# Altium PCB RUMBA_plus.PcbDoc (part 2 of 3)
Units mil, origin at the board's own origin, x right, y up, seen from the top; angles counter-clockwise.
Board outline 5314.96 x 2952.76 mil, 2 copper layers (Top Layer, Bottom Layer), stack 62.249 mil thick; 205 components, 188 nets, 892 pads, 249 vias.
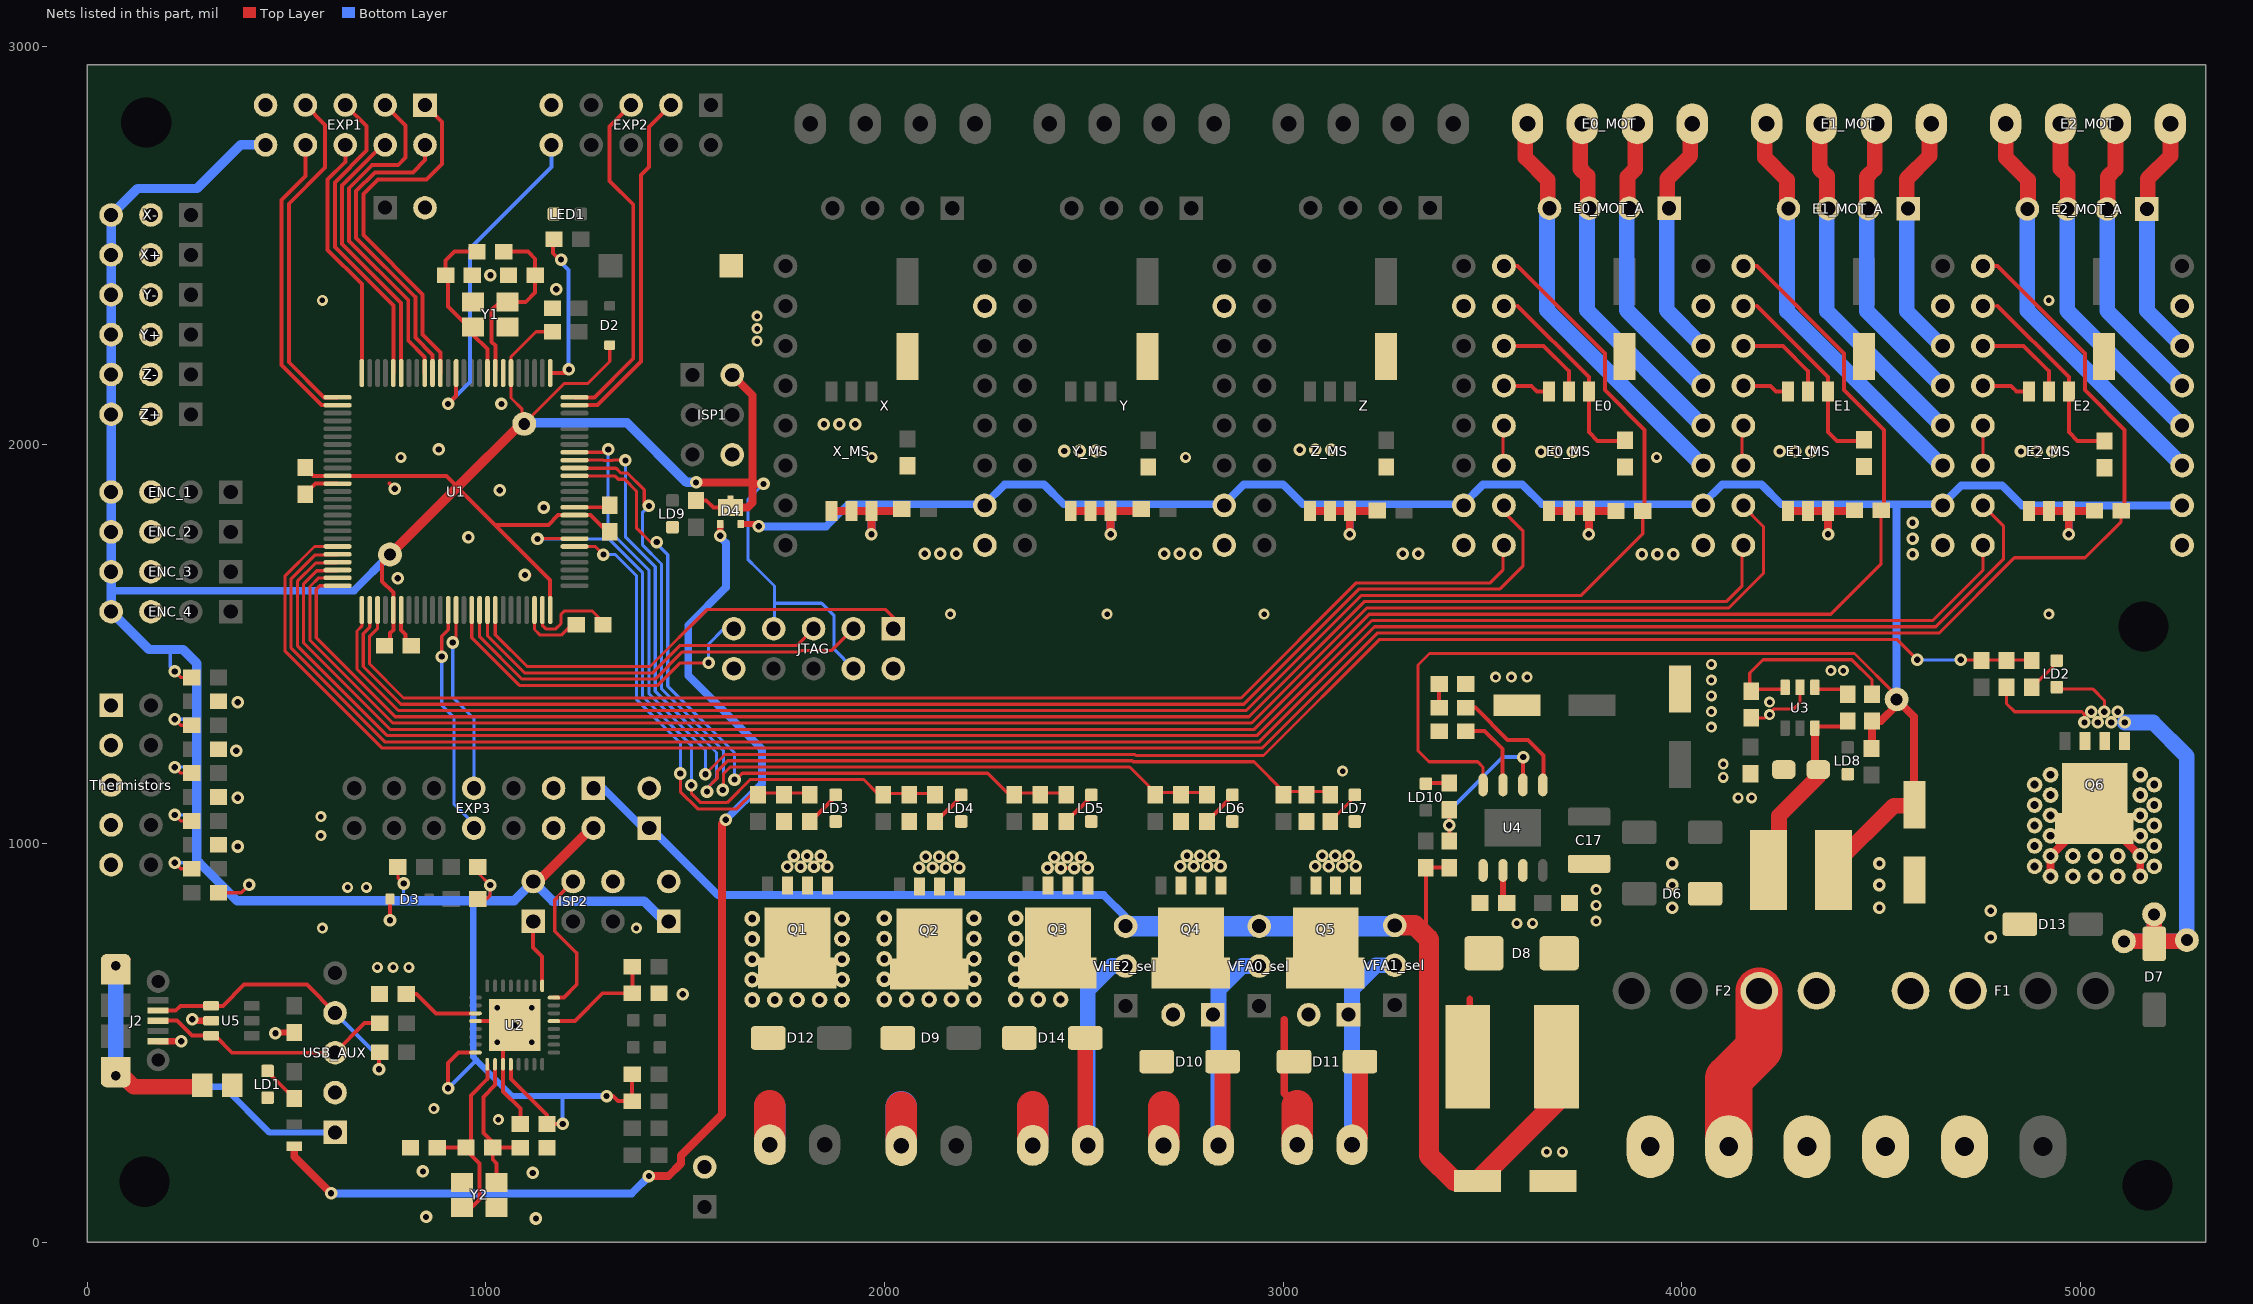
[diagram p2: the nets of this part, all layers, seen from the top]

## Via types
v1: diameter 31.5, hole 15.75, Top Layer to Bottom Layer, tented both sides, 190 vias
v2: diameter 27.56, hole 13.78, Top Layer to Bottom Layer, tented both sides, 54 vias
v3: diameter 27.56, hole 13.78, Top Layer to Bottom Layer, 5 vias

## Nets (pads, with @x,y where several pads share a name; then routed paths per layer and width w, separated by ;. In a path a pad name is that pad's centre, name@x,y a point inside that pad or via, vN(x,y) a via of type N, cw(c..) or ccw(c..) an arc to the next point about the centre after c; other vN are vias at no path point)
5V_DCDC: C2.1 D4.2 E0.10 E0_MS.1 E0_MS.2 E0_MS.3 E1.10 E1_MS.1 E1_MS.2 E1_MS.3 E2.10 E2_MS.1 E2_MS.2 E2_MS.3 L3.2 pad.9 R5.2 R20.2 R21.1 R23.1 R25.1 R27.1 R29.1 R45.1 U4.8 X.10 X_MS.1 X_MS.2 X_MS.3 Y.10 Y_MS.1 Y_MS.2 Y_MS.3 Z.10 Z_MS.1 Z_MS.2 Z_MS.3 | length 8550.3
  Top Layer w7.87: v1(1685.04,1795.28) v1@1692.91,1803.15 ; Z_MS.1@3062.93,1836.69 Z_MS.1@3067.56,1836.69 ; U4.8@3501.77,1146.65 3501.77,1191.14 3488.19,1204.72 3366.14,1204.72 3338.58,1232.28 3338.58,1447.54 3367.42,1476.38 4433.49,1476.38 4539.3,1370.57 pad.9@4539.3,1361.3 ; E0_MS.1@3662.6,1834 E0_MS.1@3667.24,1834.02 ; E2_MS.1@4866.54,1834 E2_MS.1@4871.18,1834
  Top Layer w10: Z.10@3446.31,1847.88 Z.10@3453.38,1847.88
  Top Layer w15.75: D4.2@1639.76,1801.18 1679.13,1801.18 v1(1685.04,1795.28)
  Top Layer w19.68: X_MS.1@1867.56,1834.02 X_MS.2@1917.56,1834.02 X_MS.3@1967.56,1834.02 ; v1(1967.56,1775.59) X_MS.3@1967.56,1834.02 ; R21.1@2043.53,1838.88 2038.66,1834.02 X_MS.3@1967.56,1834.02 ; Y_MS.1@2467.56,1834.02 Y_MS.2@2517.56,1834.02 Y_MS.3@2567.56,1834.02 ; v1(2567.56,1775.59) Y_MS.3@2567.56,1834.02 ; R23.1@2638.66,1834.02 Y_MS.3@2567.56,1834.02 ; Z_MS.1@3067.56,1834.02 Z_MS.2@3117.56,1834.02 Z_MS.3@3167.56,1834.02 ; v1(3167.56,1775.59) Z_MS.3@3167.56,1834.02 ; R25.1@3238.66,1834.02 Z_MS.3@3167.56,1834.02 ; E0_MS.1@3667.24,1834.02 E0_MS.2@3717.24,1834.02 E0_MS.3@3767.24,1834.02 ; v1(3767.24,1775.59) E0_MS.3@3767.24,1834.02 ; R27.1@3838.35,1834.02 E0_MS.3@3767.24,1834.02 ; E1_MS.1@4267.24,1834.02 E1_MS.2@4317.24,1834.02 E1_MS.3@4367.24,1834.02 ; v1(4367.24,1775.59) E1_MS.3@4367.24,1834.02 ; R29.1@4438.35,1834.02 E1_MS.3@4367.24,1834.02 ; R20.2@4476.38,1238.19 4477.3,1239.11 R5.2@4477.3,1306.84 4499.75,1306.84 4539.3,1346.39 pad.9@4539.3,1361.3 4582.68,1317.92 C2.1@4582.68,1098.51 ; E2_MS.1@4871.18,1834 E2_MS.2@4921.18,1834 E2_MS.3@4971.18,1834 ; v1(4971.18,1775.57) E2_MS.3@4971.18,1834 ; R45.1@5042.28,1834 E2_MS.3@4971.18,1834
  Top Layer w39.37: L3.2@4386.78,949.3 4531.97,1094.49 4586.7,1094.49 C2.1@4584.3,1096.89 C2.1@4582.68,1098.51
  Bottom Layer w19.68: v1(1685.04,1795.28) 1732.25,1795.28 1732.29,1795.32 1854.37,1795.32 1909.63,1850.57 2251.94,1850.57 2301.66,1900.3 2400.3,1900.3 2450.03,1850.57 2851.94,1850.57 2901.66,1900.3 3000.3,1900.3 3050.03,1850.57 3451.94,1850.57 3501.66,1900.3 3600.3,1900.3 3650.03,1850.57 4051.94,1850.57 4101.66,1900.3 4200.3,1900.3 4250.03,1850.57 4544.3,1850.57 ; v1(1967.56,1775.59) 1967.56,1839.71 ; v1(2567.56,1775.59) 2567.56,1839.71 ; v1(3167.56,1775.59) 3167.56,1839.71 ; v1(3767.24,1775.59) 3767.24,1839.71 ; v1(4367.24,1775.59) 4367.24,1839.71 ; pad.9@4539.3,1361.3 4539.3,1845.57 4544.3,1850.57 ; E1.10@4651.61,1847.88 4701.33,1897.61 ; E1.10@4651.94,1850.57 4544.3,1850.57 ; 4705.27,1897.61 4803.91,1897.61 4853.63,1847.88 E2.10@5255.54,1847.88 ; v1(4971.18,1775.57) 4971.18,1839.69
+5V: 5V.1 C5.2 C6.2 C7.2 C13.2 D2.K D3.K D4.3 ENC_1.4 ENC_2.4 ENC_3.4 ENC_4.4 EXP1.10 EXP3.2 ISP1.2 ISP2.2 JTAG.4 JTAG.7 pad.2@1096.65,2052.3 pad.3 R2.2 R3.2 R11.2 R12.2 R15.1 R16.1 R40.1 R41.1 R42.1 R43.1 R54.1 R58.2 U1.10 U1.31 U1.61 U1.80 U1.100 U2.4 U2.32 X+.3 X-.3 Y+.3 Y-.3 Z+.3 Z-.3 | length 11179.5
  Top Layer w7.87: v1(220.04,951.3) 235.04,936.3 R54.1@262.85,936.3 ; v1(220.04,1071.3) 235.04,1056.3 R40.1@262.85,1056.3 ; v1(220.04,1191.3) 235.04,1176.3 R41.1@262.85,1176.3 ; v1(220.04,1311.3) 235.04,1296.3 R42.1@262.85,1296.3 ; v1(220.04,1431.3) 235.04,1416.3 R43.1@262.85,1416.3 R43.1@247.85,1431.3 ; R3.2@779.69,941.3 779.69,913.76 v1(794.16,899.29) ; v1@905.44,385.9 v1(905.51,385.97) ; R12.2@980.31,860.24 1001.28,860.24 1011.13,870.08 v1(1011.13,895.32) 980.61,925.84 R2.2@980.61,941.3 ; pad.2@1087.73,2052.3 1090.55,2055.12 1090.55,2090.15 1063.39,2117.31 U1.31@1063.39,2179.8 1063.39,2220.87 1125.99,2283.47 R11.2@1167.32,2283.47 ; pad.2@1096.65,2053.35 1196.85,2153.54 1255.91,2153.54 1311.02,2208.66 D2.K@1311.02,2250
  Top Layer w10: C5.2@547.24,1942.91 568.23,1921.93 U1.61@628.35,1921.93 901.57,1921.93 901.57,1921.26 929.13,1893.7 940.94,1881.89 1023.62,1799.21 ; C7.2@746.06,1496.06 759.84,1509.84 759.84,1527.56 768.11,1535.83 U1.80@768.11,1585.32 768.11,1629.53 740.16,1657.48 740.16,1704.72 pad.3@759.84,1724.41 ; v1(759.84,807.09) D3.K@759.84,860.24 ; v1@905.44,385.9 905.44,448.75 932.05,475.35 U2.32@974.33,475.35 ; U2.4@1062.91,445.83 1062.91,409.53 1153.78,318.66 C13.2@1153.78,296.3 v1(1192.91,296.3) ; U1.100@1161.81,1585.32 1161.81,1661.02 1023.62,1799.21 ; v1(1303.15,366.14) 1319.31,366.14 1332.27,353.18 R15.1@1367.46,353.18 R16.1@1367.46,420.9 ; C6.2@1311.02,1781.5 1305.12,1781.5 1263.11,1823.51 U1.10@1222.84,1823.51 1181.77,1823.51 1157.48,1799.21 1023.62,1799.21 ; R58.2@1527.56,1860.24 1553.15,1860.24 1570.87,1842.52 D4.3@1614.17,1842.52
  Top Layer w19.68: v1(1527.56,1905.51) 1665.35,1905.51 1669.29,1901.57 ; D4.3@1614.17,1842.52 1657.48,1842.52 1669.29,1854.33 1669.29,1901.57 ; ISP1.2@1618.53,2175.05 1669.29,2124.28 1669.29,1901.57 ; v1(1696.85,1901.57) 1669.29,1901.57
  Top Layer w23.62: pad.3@759.84,1724.41 929.13,1893.7 1087.73,2052.3 pad.2@1096.65,2052.3 ; ISP2.2@1119.15,904.3 1131.15,904.3 EXP3.2@1267.65,1040.8 ; 5V.1@1447.15,805.3 5V.1@1447.15,806.87
  Bottom Layer w7.87: 208.66,1486.3 208.66,1442.68 v1(220.04,1431.3) ; v1(220.04,951.3) 281.32,951.3 ; v1(220.04,1071.3) 275.59,1071.3 ; v1(220.04,1191.3) 275.59,1191.3 ; v1(220.04,1311.3) 275.59,1311.3 ; 794.16,856.31 v1(794.16,899.29) ; 1010.15,856.3 1011.13,857.28 v1(1011.13,895.32) ; v1(1696.85,1901.57) 1657.48,1862.2 1657.48,1712.6 1681.79,1688.29 1724.41,1645.67 1724.41,1602.3 ; JTAG.7@1742.3,1538.3 1724.41,1556.19 1724.41,1602.3 ; JTAG.4@1942.3,1438.3 JTAG.4@1922.3,1438.3 1874.02,1486.58 1874.02,1570.87 1842.58,1602.3 1724.41,1602.3
  Bottom Layer w10: v1(759.84,807.09) 759.84,856.3 ; v1(905.51,385.97) 906.41,385.97 976.76,456.31 ; v1(1192.91,296.3) 1192.91,366.14
  Bottom Layer w15.75: 968.5,856.3 968.5,464.57 976.76,456.31 1066.93,366.14 1192.91,366.14 v1(1303.15,366.14)
  Bottom Layer w19.68: 60.31,1633.86 669.29,1633.86 pad.3@759.84,1724.41
  Bottom Layer w23.62: EXP1.10@447.67,2752.13 385.13,2752.13 275.76,2642.76 126.76,2642.76 X-.3@60.3,2576.3 Y+.3@60.3,2276.3 Z+.3@60.3,2076.3 ENC_3.4@60.31,1681.3 60.31,1633.86 ENC_4.4@60.31,1581.3 155.31,1486.3 208.66,1486.3 240.55,1486.3 275.59,1451.26 275.59,1311.3 275.59,1191.3 275.59,1071.3 275.59,957.02 281.32,951.3 376.32,856.3 759.84,856.3 794.15,856.3 968.5,856.3 1010.15,856.3 1071.15,856.3 ISP2.2@1119.15,904.3 1168.36,855.09 1397.36,855.09 5V.1@1447.15,805.3 ; pad.2@1096.65,2052.3 1099.47,2055.11 1354.33,2055.11 1503.94,1905.51 v1(1527.56,1905.51)
+12V: 12V.1 C32.1 EXP3.1 L4.2 R56.1 R59.2 VFA0_sel.3 VFA1_sel.3 VHE2_sel.3 | length 3585.4
  Top Layer w10: 3358.27,766.72 R59.2@3358.27,938.98 R56.1@3399.61,938.98 ; R56.1@3399.61,938.98 3409.45,938.98 R56.1@3399.61,938.98
  Top Layer w51.18: VFA1_sel.3@3280.15,794.3 3330.69,794.3 3358.27,766.72 3366.14,758.85 3366.14,216.54 3429.13,153.54 C32.1@3488.19,153.54 3693.9,359.25 L4.2@3693.9,464.57
  Bottom Layer w19.68: EXP3.1@1270.15,1138.3 1294.77,1138.3 1411.42,1021.65 1431.1,1021.65 1582.68,870.08 2550.36,870.08 2605.15,815.28 VHE2_sel.3@2605.15,792.3
  Bottom Layer w51.18: VHE2_sel.3@2605.15,792.3 VFA0_sel.3@2940.15,792.3 VFA1_sel.3@3278.15,792.3
A9: EXP3.7 U1.88 | length 472.3
  Top Layer w7.87: v1(917.32,1503.94) 925.59,1512.21 U1.88@925.59,1585.32
  Bottom Layer w7.87: v1(917.32,1503.94) 917.32,1366.14 970.15,1313.31 EXP3.7@970.15,1138.3
A10: EXP3.8 U1.87 | length 587
  Top Layer w7.87: v1(889.76,1468.5) 889.76,1519.69 905.91,1535.83 U1.87@905.91,1585.32
  Bottom Layer w7.87: v1(889.76,1468.5) 889.76,1346.46 920.15,1316.07 920.15,1099.3 970.15,1049.3 EXP3.8@970.15,1038.3
AREF: C4.2 U1.98 | length 178
  Top Layer w7.87: U1.98@1124.41,1583.35 U1.98@1122.44,1585.32 1122.44,1536.39 1136.51,1522.32 1189.21,1522.32 C4.2@1227.19,1560.3
BEEPER: EXP1.1 U1.40 | length 922.9
  Top Layer w10: EXP1.1@847.67,2852.13 890.07,2809.72 890.07,2704.07 851.35,2665.35 729.71,2665.35 692.91,2628.55 692.91,2525.9 841.42,2377.4 841.42,2276.07 886.22,2231.26 U1.40@886.22,2179.8
BTN_EN1: EXP2.5 U1.25 | length 870
  Top Layer w10: U1.25@1222.84,2118.78 1272.32,2118.78 1370.08,2216.54 1370.08,2602.36 1311.02,2661.42 1311.02,2798.48 EXP2.5@1364.67,2852.13
BTN_EN2: EXP2.3 U1.24 | length 886.8
  Top Layer w10: U1.24@1222.84,2099.1 1280.2,2099.1 1389.76,2208.66 1389.76,2677.17 1409.45,2696.85 1409.45,2796.91 EXP2.3@1464.67,2852.13
BTN_ENC: EXP1.2 U1.41 | length 778.7
  Top Layer w10: EXP1.2@847.67,2752.13 847.67,2713.81 817.09,2683.23 722.31,2683.23 675.04,2635.96 675.04,2518.5 823.54,2370 823.54,2268.66 866.54,2225.67 U1.41@866.54,2179.8
DTR: C16.2 R14.1 U2.13 | length 291.9
  Top Layer w10: U2.13@1171.18,554.09 1223.39,554.09 1293.33,624.04 R14.1@1367.68,624.04 ; R14.1@1367.68,624.3 C16.2@1367.68,690.77
E0-DIR: E0.8 U1.78 | length 3217
  Top Layer w7.87: U1.78@728.74,1585.32 728.74,1539.77 708.66,1519.69 708.66,1450.05 793.87,1364.84 2894.99,1364.84 3183.69,1653.54 3519.68,1653.54 3551.61,1685.46 E0.8@3551.61,1747.88
E0-EN: E0.1 R27.2 U1.76 | length 4449.1
  Top Layer w7.87: U1.76@689.37,1585.32 689.37,1544.94 677.17,1532.73 677.17,1437.01 780.83,1333.35 2908.15,1333.35 3196.85,1622.05 3748.03,1622.05 3902.46,1776.47 R27.2@3902.46,1833.88
  Top Layer w10: E0.1@3551.61,2447.88 E0.1@3554.1,2447.88 3588.72,2447.88 3807.3,2229.3 3807.3,2137.3 3907.3,2037.3 3907.3,1842.86 R27.2@3898.5,1834.06
E0-STEP: E0.7 U1.77 | length 3413.1
  Top Layer w7.87: U1.77@709.06,1585.32 709.06,1542.35 692.91,1526.21 692.91,1443.53 787.35,1349.1 2901.51,1349.1 3190.21,1637.8 3543.31,1637.8 3602.36,1696.85 3602.36,1783.24 E0.7@3551.61,1833.99
  Top Layer w10: E0.7@3551.61,1833.99 E0.7@3551.61,1847.88
E1-DIR: E1.8 U1.75 | length 4075.7
  Top Layer w7.87: U1.75@628.35,1646.34 583.35,1646.34 574.8,1637.8 574.8,1515.75 772.95,1317.6 2914.67,1317.6 3203.37,1606.3 4111.59,1606.3 4151.61,1646.32 E1.8@4151.61,1747.88
E1-EN: E1.1 R29.2 U1.73 | length 5388.8
  Top Layer w7.87: U1.73@628.35,1685.71 628.35,1683.74 576.21,1683.74 543.31,1650.84 543.31,1502.7 759.91,1286.1 2927.72,1286.1 3216.42,1574.8 4374.02,1574.8 4500.46,1701.24 R29.2@4500.46,1835.88
  Top Layer w10: E1.1@4151.61,2447.88 E1.1@4154.82,2447.88 4188.72,2447.88 4407.3,2229.3 4407.3,2137.3 4507.3,2037.3 4507.3,1842.86 R29.2@4498.5,1834.06
E1-STEP: E1.7 U1.74 | length 4293.6
  Top Layer w7.87: U1.74@628.35,1666.03 580.76,1666.03 559.06,1644.32 559.06,1509.22 766.43,1301.85 2921.2,1301.85 3209.9,1590.55 4118.11,1590.55 4205.3,1677.74 4205.3,1794.19 E1.7@4151.61,1847.88
E2-DIR: E2.8 U1.72 | length 4838.2
  Top Layer w7.87: U1.72@628.35,1705.4 626.38,1703.43 573.62,1703.43 527.56,1657.36 527.56,1496.18 753.38,1270.36 2934.24,1270.36 3222.94,1559.06 4629.92,1559.06 4755.54,1684.68 E2.8@4755.54,1747.88
E2-EN: E2.1 R45.2 U1.70 | length 6106.7
  Top Layer w7.87: U1.70@628.35,1744.77 570.42,1744.77 496.06,1670.41 496.06,1483.13 740.34,1238.86 2947.29,1238.86 3235.99,1527.56 4645.67,1527.56 4834.65,1716.54 5011.73,1716.54 5102.43,1807.24 R45.2@5102.43,1834.06
  Top Layer w10: E2.1@4755.54,2447.88 4792.65,2447.88 5011.24,2229.3 5011.24,2137.3 5111.24,2037.3 5111.24,1842.86 R45.2@5102.43,1834.06
E2-STEP: E2.7 U1.71 | length 5055.1
  Top Layer w7.87: U1.71@628.35,1725.08 626.38,1723.11 571.04,1723.11 511.81,1663.89 511.81,1489.66 746.86,1254.61 2940.77,1254.61 3229.47,1543.31 4637.8,1543.31 4807.09,1712.6 4807.09,1796.34 E2.7@4755.54,1847.88
FAN_0: R46.1 R47.1 R55.2 U1.17 | length 2713.7
  Top Layer w7.87: U1.17@1222.84,1961.3 1294.99,1961.3 1295.67,1960.63 1318.5,1960.63 1319.17,1961.3 1349.72,1961.3 v1(1350.39,1960.63) ; v1@1555.11,1125.98 v1(1555.11,1129.92) 1555.11,1137.79 1580.76,1163.43 1580.76,1181.37 1606.75,1207.36 2621.82,1207.36 2624.46,1204.72 2927.19,1204.72 3002.15,1129.76 R55.2@3118.15,1129.76
  Bottom Layer w7.87: v1(1350.39,1960.63) 1350.39,1769.07 1425.2,1694.26 1425.2,1381.49 1578.74,1227.95 1578.74,1161.81 1555.11,1138.19 v1(1555.11,1129.92) v1@1555.11,1125.98
FAN_1: R51.1 R52.1 R53.2 U1.16 | length 2349.3
  Top Layer w7.87: U1.16@1222.84,1941.62 1223.51,1940.94 1327.16,1940.94 1338.97,1929.14 1355.17,1929.14 1397.64,1886.67 1397.64,1846.46 v1(1409.45,1846.46) ; v1@1594.49,1129.92 1596.5,1131.94 1596.5,1174.85 1613.27,1191.62 2615.3,1191.62 2679.15,1127.76 R53.2@2809.14,1127.76
  Bottom Layer w7.87: v1(1409.45,1846.46) 1393.7,1830.71 1393.7,1748.03 1440.94,1700.79 1440.94,1388.01 1596.5,1232.45 1596.5,1131.94 v1@1594.49,1129.92
  other v1: 1594.49,1133.86
FB1: R5.1 R6.2 U3.3 | length 513.8
  Top Layer w7.87: R6.2@4170.86,1381.76 4170.86,1427.3 4204.19,1460.63 4426.97,1460.63 4477.3,1410.3 R5.1@4477.3,1373.76 ; R6.2@4175.65,1386.56 U3.3@4259.46,1386.56
  Top Layer w19.68: R6.2@4170.86,1381.76 R6.2@4175.65,1386.56
FB2: R56.2 R57.2 U4.6 | length 425.9
  Top Layer w10: R56.2@3417.32,1005.9 v1(3417.32,1045.28) R57.2@3417.32,1084.65 ; U4.6@3602.36,1147.24 v1(3602.36,1216.54)
  Bottom Layer w10: v1(3417.32,1045.28) 3417.32,1082.68 3551.18,1216.54 v1(3602.36,1216.54)
GND: 5V.2 12V.2 C1.2 C2.2 C3.2 C4.1 C5.1 C6.1 C7.1 C8.1 C9.2 C11.1 C12.2 C13.1 C14.1 C15.1 C17.1 C19.1 C20.1 C21.2 C22.2 C23.2 C24.2 C25.2 C26.2 C27.2 C28.2 C29.2 C30.2 C31.2 C32.2 C34.1 D5.A D6.A D7.A D8.A E0.9 E0.15 E1.9 E1.15 E2.9 E2.15 ENC_1.3 ENC_2.3 ENC_3.3 ENC_4.3 EXP1.9 EXP2.9 EXP3.3 EXP3.4 HB-PWR.1 ISP1.6 ISP2.6 J2.GND JTAG.2 JTAG.10 L1.2 LD1.2 LD2.2 LD3.2 LD4.2 LD5.2 LD6.2 LD7.2 LD8.2 LD9.2 LD10.2 LED1.2 MAIN-PWR.1 pad.5 pad.6 pad.8 PS_ON.2 PWR.2 Q1.3 Q2.3 Q3.3 Q4.3 Q5.3 Q6.3 R6.1 R10.1 R14.2 R19.1 R22.2 R24.2 R26.2 R28.2 R30.2 R32.2 R35.2 R38.2 R44.2 R47.2 R49.2 R52.2 R57.1 Reset.1 Thermistors.1 Thermistors.3 Thermistors.5 Thermistors.7 Thermistors.9 U1.11 U1.32 U1.62 U1.81 U1.99 U2.3 U2.28 U2.33 U3.2 U4.3 U5.2 USB_AUX.2 X+.2 X-.2 X.9 X.15 Y1.2 Y1.4 Y2.2 Y2.4 Y+.2 Y-.2 Y.9 Y.15 Z+.2 Z-.2 Z.9 Z.15 | length 3059.6
  Top Layer w7.87: C9.2@319.78,876.3 C9.2@329.78,876.3 386.32,876.3 v1(406.32,896.3) ; C26.2@319.78,996.3 C26.2@329.78,996.3 C26.2@333.95,992.13 ; C27.2@319.78,1116.3 C27.2@329.78,1116.3 C27.2@331.91,1114.17 ; C28.2@319.78,1236.3 C28.2@329.78,1236.3 C28.2@333.8,1232.28 ; C29.2@319.78,1356.3 C29.2@329.78,1356.3 C29.2@331.75,1354.33 ; U1.99@1142.13,1585.32 1142.13,1546.85 1150.9,1538.07 1175.87,1538.07 1188.98,1551.18 1188.98,1574.8 1196.85,1582.68 1267.8,1582.68 C4.1@1294.12,1556.36 ; v1(2442.82,938.3) v1(2476.48,938.3) ; R6.1@4170.86,1314.84 R6.1@4174.8,1314.84 4209.39,1314.84 4231.86,1337.3 4280.86,1337.3 4296.86,1353.3 U3.2@4296.86,1386.56 ; D5.A@4242.75,1174.84 D5.A@4243.3,1174.28 ; R32.2@4809.3,1393.39 4814.96,1387.73 4814.96,1350.64 4835.3,1330.3 5004.35,1330.3 5010.3,1324.35 v1(5010.3,1303.3) ; LD2.2@4943.3,1387.62 5030.98,1387.62 5060.3,1358.3 v1(5060.3,1330.3)
  Top Layer w10: C5.1@547.24,1875.98 573.51,1902.25 U1.62@628.35,1902.25 ; 759.17,1902.25 v1(771.65,1889.76) ; v1(779.53,1665.35) 784.26,1665.35 v1@787.8,1668.89 ; U1.81@787.8,1585.32 787.8,1535.04 799.21,1523.62 799.21,1509.84 C7.1@812.99,1496.06 ; U2.28@974.33,554.09 1062.91,554.09 v3(1072.76,544.25) 1043.23,514.72 U2.3@1043.23,445.83 1043.23,378.03 1086.85,334.41 C13.1@1086.85,296.3 ; v1(1039.37,2102.36) v1@1043.7,2106.69 ; v1(1098.43,1673.23) v1@1110.24,1673.23 ; v1(1145.67,1842.52) v1@1146.34,1843.19 ; U1.11@1222.84,1843.19 1305.79,1843.19 C6.1@1311.02,1848.43 ; LD10.2@3350.39,1149.61 3352.36,1151.57 R57.1@3409.45,1151.57
  Top Layer w15.75: J2.GND@178.15,503.94 v1(236.22,503.94) ; v1(263.78,559.06) 263.78,555.12 U5.2@311.02,555.12 U5.2@315.94,555.12 ; v1(472.44,523.62) 474.41,525.59 C11.1@519.69,525.59 C11.1@523.62,525.59
  Top Layer w39.37: D8.A@3692.91,724.41 D8.A@3702.76,734.25 ; pad.6@5109.3,754.29 D7.A@5185.3,754.29 ; D7.A@5185.3,738.8 D7.A@5185.3,754.29 ; pad.8@5185.3,798.54 D7.A@5185.3,754.29 ; pad.5@5264.3,754.29 D7.A@5185.3,754.29
  Bottom Layer w39.37: pad.6@5109.3,754.29 5185.3,754.29 ; v1(5111.3,1303.3) 5182.3,1303.3 5267.3,1218.3 pad.5@5267.3,757.29 ; pad.8@5185.3,814.29 5185.3,754.29 ; pad.5@5264.3,754.29 5185.3,754.29
  other v1: 1125.98,59.06 850.39,62.99 1118.11,173.23 842.52,177.17 1494.15,621.3 3976.38,838.58 4496.06,838.58 3976.38,895.58 4496.06,895.58 2409.15,938.3 2510.15,938.3 2087.15,939.3 2120.82,939.3 2154.48,939.3 2188.15,939.3 1756.15,941.3 1789.82,941.3 1823.48,941.3 1857.15,941.3 2742.15,942.3 2775.82,942.3 2809.48,942.3 2843.15,942.3 3081.15,942.3 3114.82,942.3 3148.48,942.3 3182.15,942.3 3976.38,949.58 4496.06,949.58 2426.15,965.3 2459.15,965.3 2493.15,965.3 2104.15,966.3 2137.15,966.3 2171.15,966.3 1773.15,968.3 1806.15,968.3 1840.15,968.3 2759.15,969.3 2792.15,969.3 2826.15,969.3 3098.15,969.3 3131.15,969.3 3165.15,969.3 377.95,992.13 377.95,1114.17 374.02,1232.28 5043.97,1303.3 5077.63,1303.3 5027.3,1330.3 5093.97,1330.3 377.95,1354.33 3900.3,1725.3 3939.3,1725.3 3979.3,1725.3 4579.3,1725.3 2101.3,1726.3 2140.3,1726.3 2180.3,1726.3 2702.3,1726.3 2741.3,1726.3 2781.3,1726.3 3300.3,1726.3 3339.3,1726.3 4579.3,1764.3 956.69,1767.72 4579.3,1804.3 1035.43,1885.83 3647.3,1982.3 3686.3,1982.3 3726.3,1982.3 4246.3,1983.3 4285.3,1983.3 4325.3,1983.3 4851.24,1983.3 4890.24,1983.3 4930.24,1983.3 2451.3,1984.3 2490.3,1984.3 2530.3,1984.3 3042.3,1987.3 3081.3,1987.3 3121.3,1987.3 881.89,1988.19 1848.3,2051.3 1887.3,2051.3 1927.3,2051.3 1177.17,2389.76 1011.81,2425.2
  other v2: 3661.42,226.38 3700.79,226.38 1031.5,307.09 870.08,334.65 728.35,688.98 767.72,688.98 807.09,688.98 590.55,787.4 1377.95,787.4 3586.61,799.21 3625.98,799.21 3785.43,805.12 3785.43,844.49 3785.43,883.86 653.54,889.76 700.79,889.76 586.61,1019.69 586.61,1066.93 4141.73,1114.17 4175.2,1114.17 4104.33,1165.35 3149.61,1181.1 4104.33,1198.82 4074.8,1291.34 4220.47,1322.83 4074.8,1330.71 4220.47,1354.33 4074.8,1370.08 4074.8,1409.45 3533.46,1417.32 3572.83,1417.32 3612.2,1417.32 4374.02,1433.07 4405.51,1433.07 4074.8,1448.82 2165.35,1574.8 2559.06,1574.8 2952.76,1574.8 4921.26,1574.8 787.4,1968.5 1968.5,1968.5 2755.91,1968.5 3937.01,1968.5 1681.1,2259.84 1681.1,2291.34 1681.1,2322.83 590.55,2362.21 4921.26,2362.21
  other v3: 1029.45,500.94 1116.06,500.94 1029.45,587.56 1116.06,587.56
HB: R31.1 R32.1 R33.2 U1.18 | length 4490.4
  Top Layer w7.87: U1.18@1222.84,1980.99 1302.48,1980.99 1307.08,1985.59 v1(1307.08,1988.19) ; v1(1551.18,1173.23) 1551.18,1174.07 1600.22,1223.11 2628.34,1223.11 2630.98,1220.47 2951.17,1220.47 3242.51,1511.81 4539.79,1511.81 v1(4591.3,1460.3) ; v1(4700.3,1460.32) 4871.86,1460.32 R33.2@4872.3,1460.76
  Bottom Layer w7.87: v1(1307.08,1988.19) 1307.08,1787.4 1409.45,1685.04 1409.45,1374.97 1551.18,1233.24 v1(1551.18,1173.23) ; v1(4591.3,1460.3) v1(4700.3,1460.32)
HE_0: R34.1 R35.1 R36.2 U1.6 | length 1141.1
  Top Layer w7.87: U1.6@1222.84,1744.77 1274.92,1744.77 v1(1295.28,1724.41) ; v1(1488.19,1175.36) 1488.19,1129.92 1531.5,1086.61 1629.92,1086.61 1669.29,1125.98 1748.12,1125.98 1808.89,1125.98 R36.2@1799.58,1135.3
  Bottom Layer w7.87: v1(1295.28,1724.41) 1325.54,1724.41 1377.95,1671.99 1377.95,1361.92 1488.19,1251.69 v1(1488.19,1175.36)
HE_1: R37.1 R38.1 R39.2 U1.7 | length 1655.1
  Top Layer w7.87: v1(1129.92,1763.78) 1130.59,1764.45 U1.7@1222.84,1764.45 ; v1(1515.74,1145.67) 1515.74,1125.99 1539.37,1102.36 1583.07,1102.36 1605.67,1102.36 1663.43,1160.12 1948.33,1160.12 1983.69,1124.76 1997.13,1124.76 R39.2@2127.12,1124.76
  Bottom Layer w7.87: v1(1129.92,1763.78) 1308.44,1763.78 1393.7,1678.52 1393.7,1368.44 1515.75,1246.39 v1(1515.74,1145.67)
HE_2: R48.1 R49.1 R50.2 U1.15 | length 1852.6
  Top Layer w7.87: U1.15@1222.84,1921.93 1223.51,1921.26 1324.57,1921.26 1332.45,1913.39 1348.65,1913.39 1377.95,1884.08 1377.95,1791.34 1413.39,1755.91 v1(1429.13,1755.91) ; v1@1624.06,1156.02 1643.91,1175.87 2259.04,1175.87 R48.1@2308.14,1126.76 ; R48.1@2326.14,1126.76 R50.2@2456.13,1126.76
  Bottom Layer w7.87: v1(1429.13,1755.91) 1429.13,1751.85 1456.69,1724.29 1456.69,1394.53 1624.06,1227.16 v1(1624.06,1159.96) v1@1624.06,1156.02
J_TCK: JTAG.1 U1.93 | length 1206.5
  Top Layer w7.87: U1.93@1024.02,1585.32 1024.02,1523.46 1103.89,1443.58 1412.09,1443.58 1554.8,1586.3 2003.3,1586.3 2042.3,1547.3 JTAG.1@2042.3,1529.3
J_TDI: JTAG.9 U1.90 | length 878.4
  Top Layer w7.87: U1.90@964.96,1585.32 964.96,1515.7 1084.32,1396.34 1431.66,1396.34 1488.07,1452.76 v1(1559.06,1452.76)
  Bottom Layer w7.87: v1(1559.06,1452.76) 1559.06,1500 1597.36,1538.3 JTAG.9@1622.3,1538.3 ; JTAG.9@1631.3,1540.3 JTAG.9@1642.3,1529.3
J_TDO: JTAG.3 U1.91 | length 1100.9
  Top Layer w7.87: U1.91@984.65,1585.32 984.65,1518.29 1090.85,1412.09 1425.13,1412.09 1493.36,1480.32 1786.59,1480.32 1790.52,1484.25 1868.25,1484.25 JTAG.3@1922.3,1538.3
J_TMS: JTAG.5 U1.92 | length 966.7
  Top Layer w7.87: U1.92@1004.33,1585.32 1004.33,1520.87 1097.37,1427.84 1418.61,1427.84 1486.84,1496.06 1780.06,1496.06 JTAG.5@1822.3,1538.3
KILL: EXP2.10 U1.38 | length 842.9
  Top Layer w10: v1(905.51,2102.36) 925.59,2122.44 U1.38@925.59,2179.8
  Bottom Layer w10: v1(905.51,2102.36) 960.63,2157.48 960.63,2492.13 1164.67,2696.16 EXP2.10@1164.67,2752.13
LCD_D4: EXP1.5 U1.46 | length 788
  Top Layer w10: EXP1.5@647.67,2852.13 700.79,2799.01 700.79,2737.54 621.42,2658.17 621.42,2496.29 768.11,2349.59 U1.46@768.11,2179.8
LCD_D5: EXP1.6 U1.50 | length 626.1
  Top Layer w10: EXP1.6@647.67,2752.13 647.67,2709.7 603.54,2665.57 603.54,2488.89 689.37,2403.06 U1.50@689.37,2179.8
LCD_D6: EXP1.7 U1.51 | length 862.3
  Top Layer w10: EXP1.7@547.67,2852.13 597.3,2802.49 597.3,2695.72 506.06,2604.49 506.06,2206.94 594.22,2118.78 U1.51@628.35,2118.78
LCD_D7: EXP1.8 U1.52 | length 759
  Top Layer w10: EXP1.8@547.67,2752.13 547.67,2673.65 488.19,2614.17 488.19,2199.54 588.63,2099.1 U1.52@628.35,2099.1
LCD_ENA: EXP1.3 U1.42 | length 869.1
  Top Layer w10: EXP1.3@747.67,2852.13 799.21,2800.58 799.21,2720.47 779.84,2701.1 714.91,2701.1 657.17,2643.36 657.17,2511.1 805.67,2362.59 805.67,2261.26 846.85,2220.08 U1.42@846.85,2179.8
LCD_RS: EXP1.4 U1.45 | length 682.8
  Top Layer w10: EXP1.4@747.67,2752.13 740.65,2752.13 639.29,2650.76 639.29,2503.69 787.8,2355.19 U1.45@787.8,2179.8
LED: R13.2 U1.26 | length 398.5
  Top Layer w10: U1.26@1161.81,2179.8 1199.49,2179.8 v1(1208.66,2188.98) ; R13.2@1163.39,2515.75 1169.29,2509.84 1169.29,2480.32 1185.04,2464.57 v1(1188.98,2464.57)
  Bottom Layer w10: v1(1188.98,2464.57) 1188.98,2456.69 1207.6,2438.07 1207.6,2190.04 v1(1208.66,2188.98)
MISO2: ISP2.1 U2.17 | length 204.7
  Top Layer w10: ISP2.1@1131.88,795.6 1140.58,804.3 ISP2.1@1119.15,804.3 1119.15,739.12 1141.65,716.61 U2.17@1141.65,642.68
MOSI2: ISP2.4 U2.16 | length 371.2
  Top Layer w10: U2.16@1171.18,613.15 1195.83,613.15 1228.35,645.67 1228.35,724.41 1173.15,779.61 1173.15,858.3 ISP2.4@1219.15,904.3
NetC10_1: C10.1 R19.2 | length 59.1
  Top Layer w10: C10.1@3391.73,1328.74 R19.2@3391.73,1387.8
NetC10_2: C10.2 U4.5 | length 318.4
  Top Layer w10: C10.2@3458.66,1340.55 3482.28,1340.55 3562.99,1259.84 3614.17,1259.84 3653.54,1220.47 U4.5@3653.54,1146.65
NetC12_1: C12.1 U2.27 | length 193.8
  Top Layer w10: C12.1@800.69,622.37 826.45,622.37 875.04,573.78 U2.27@974.33,573.78
NetC14_2: C14.2 R9.1 U2.1 Y2.1 | length 497.1
  Top Layer w10: C14.2@878.17,236.86 R9.1@950.69,236.86 ; Y2.1@940.94,86.61 964.57,86.61 984.25,106.3 984.25,196.85 950.69,230.42 R9.1@950.69,236.86 ; R9.1@950.69,237.3 R9.1@950.69,236.86 ; R9.1@957.33,236.86 962.53,242.06 962.53,368.04 1003.86,409.37 U2.1@1003.86,445.83
NetC15_2: C15.2 R9.2 U2.2 Y2.3 | length 397
  Top Layer w10: U2.2@1023.54,445.83 1023.54,393.62 994.02,364.1 994.02,273.69 R9.2@1030.42,237.3 ; Y2.3@1027.56,149.61 1027.56,196.85 1017.61,206.8 R9.2@1017.61,237.3 R9.2@1030.42,237.3 ; C15.2@1086.83,236.86 1086.39,237.3 R9.2@1030.42,237.3
NetC18_1: C18.1 D5.K L3.1 U3.6 | length 420.6
  Top Layer w10: U3.6@4334.26,1293.06 C18.1@4403.08,1293.06 ; 4335.86,1160.86 D5.K@4335.86,1173.3
  Top Layer w19.68: D5.K@4334.26,1174.9 U3.6@4334.26,1293.06
  Top Layer w39.37: L3.1@4236.22,1007.87 4244.09,1015.75 4244.09,1069.1 4335.86,1160.86 4342.52,1167.52 D5.K@4342.52,1185.04
NetC18_2: C18.2 U3.1 | length 87.9
  Top Layer w7.87: U3.1@4334.26,1386.56 4404.06,1386.56 C18.2@4416.86,1373.76
NetC19_2: C19.2 R1.2 U1.33 Y1.3 | length 452.1
  Top Layer w10: U1.33@1024.02,2187.68 1024.02,2248.43 1014.69,2257.76 1014.69,2337.52 1035.43,2358.27 Y1.3@1055.12,2358.27 1100.39,2358.27 1124.02,2381.89 C19.2@1124.02,2425.2 1124.02,2466.53 1106.3,2484.25 R1.2@1045.28,2484.25
NetC20_2: C20.2 R1.1 U1.34 Y1.1 | length 420.8
  Top Layer w10: R1.1@978.35,2484.25 921.26,2484.25 899.61,2462.6 C20.2@899.61,2425.2 905.51,2419.29 905.51,2346.46 956.69,2295.28 Y1.1@968.5,2295.28 968.5,2275.59 1004.33,2239.76 U1.34@1004.33,2179.8
NetC33_1: C33.1 U4.2 | length 72.4
  Top Layer w15.75: C33.1@3551.77,859.65 U4.2@3551.77,932.09
NetC33_2: C33.2 D8.K L4.1 U4.1 | length 159.2
  Top Layer w15.75: L4.1@3468.5,476.38 3468.5,610.24 ; D8.K@3486.02,742.32 D8.K@3503.94,724.41
NetC34_2: C34.2 U4.7 | length 200.8
  Top Layer w10: C34.2@3458.66,1281.5 3505.91,1281.5 3551.18,1236.22 U4.7@3551.18,1146.65
NetD4_1: D4.1 F3.2 | length 2875
  Top Layer w15.75: v1@1588.58,1767.72 v1(1588.58,1771.65) D4.1@1588.58,1801.18
  Top Layer w19.68: F3.2@519.69,240.16 519.69,214.34 v1(611.98,122.05) ; v1(1409.45,165.35) 1458.2,165.35 1489.7,196.85 1489.7,217.23 1592.52,320.05 1592.52,1049.21 v1(1602.36,1059.06)
  Bottom Layer w19.68: v1(611.98,122.05) 1366.14,122.05 v1(1409.45,165.35) ; v1@1588.58,1767.72 1602.36,1753.94 1602.36,1641.73 1507.87,1547.24 1507.87,1421.26 1692.91,1236.22 1692.91,1149.61 v1(1602.36,1059.06)
NetD9_A: D9.A HE1.2 pad.2@1999.65,608.3 pad.2@1999.65,659.3 pad.2@1999.65,710.3 pad.2@1999.65,761.3 pad.2@1999.65,812.3 pad.2@2055.9,608.3 pad.2@2112.15,608.3 pad.2@2168.4,608.3 pad.2@2224.65,608.3 pad.2@2224.65,659.3 pad.2@2224.65,710.3 pad.2@2224.65,761.3 pad.2@2224.65,812.3 Q2.2 | length 196
  Top Layer w78.74: HE1.2@2042.35,241.3 2042.35,338.5
  Bottom Layer w78.74: HE1.2@2042.35,241.3 2042.35,340.1
NetD10_A: D10.A FAN0.2 FAN0_1.2 Q4.2 | length 97.2
  Top Layer w78.74: FAN0.2@2700.35,242.3 2700.35,339.5
NetD10_K: D10.K FAN0.1 FAN0_1.1 VFA0_sel.2 | length 724.6
  Top Layer w39.37: FAN0.1@2838.15,242.3 2848.43,252.58 D10.K@2848.43,452.76
  Bottom Layer w39.37: FAN0.1@2838.15,242.3 2838.15,632.3 2898.15,692.3 VFA0_sel.2@2933.15,692.3
NetD11_A: D11.A FAN1.2 FAN1_1.2 Q5.2 | length 326.3
  Top Layer w19.68: 3003.15,557.3 3003.15,373.71 3035.35,341.5
  Top Layer w78.74: FAN1.2@3035.35,244.3 3035.35,341.5
NetD11_K: D11.K FAN1.1 FAN1_1.1 VFA1_sel.2 | length 726.5
  Top Layer w39.37: FAN1.1@3173.15,244.3 3192.91,264.06 D11.K@3192.91,452.76
  Bottom Layer w39.37: FAN1.1@3173.15,244.3 3173.15,634.3 3233.15,694.3 VFA1_sel.2@3268.15,694.3
NetD12_A: D12.A HE0.2 pad.2@1668.65,607.3 pad.2@1668.65,658.3 pad.2@1668.65,709.3 pad.2@1668.65,760.3 pad.2@1668.65,811.3 pad.2@1724.9,607.3 pad.2@1781.15,607.3 pad.2@1837.4,607.3 pad.2@1893.65,607.3 pad.2@1893.65,658.3 pad.2@1893.65,709.3 pad.2@1893.65,760.3 pad.2@1893.65,811.3 Q1.2 | length 192
  Top Layer w78.74: HE0.2@1712.35,244.3 1712.35,341.5
  Bottom Layer w78.74: HE0.2@1712.35,244.3 1712.35,339.1
NetD13_A: D13.A HB-OUT.1 pad.2@4885.3,942.3 pad.2@4885.3,993.55 pad.2@4885.3,1044.8 pad.2@4885.3,1096.05 pad.2@4885.3,1147.3 pad.2@4925.3,917.3 pad.2@4925.3,968.3 pad.2@4925.3,1019.3 pad.2@4925.3,1070.3 pad.2@4925.3,1121.3 pad.2@4925.3,1172.3 pad.2@4981.55,917.3 pad.2@4981.55,968.3 pad.2@5037.8,917.3 pad.2@5037.8,968.3 pad.2@5094.05,917.3 pad.2@5094.05,968.3 pad.2@5150.3,917.3 pad.2@5150.3,968.3 pad.2@5150.3,1019.3 pad.2@5150.3,1070.3 pad.2@5150.3,1121.3 pad.2@5150.3,1172.3 pad.2@5185.3,942.3 pad.2@5185.3,993.55 pad.2@5185.3,1044.8 pad.2@5185.3,1096.05 pad.2@5185.3,1147.3 Q6.2 | length 390.2
  Top Layer w19.68: pad.2@4925.3,917.3 pad.2@4925.3,968.3 4994.3,1037.3 Q6.2@5035.3,1037.3 5081.3,1037.3 pad.2@5150.3,968.3 pad.2@5150.3,917.3
  Bottom Layer w19.68: pad.2@5144.3,968.3 pad.2@5150.3,968.3
  other v1: 4775.59,764.1 4775.59,830.71
NetD14_A: D14.A HE2.2 pad.2@2329.65,608.3 pad.2@2329.65,659.3 pad.2@2329.65,710.3 pad.2@2329.65,761.3 pad.2@2329.65,812.3 pad.2@2385.9,608.3 pad.2@2442.15,608.3 Q3.2 | length 192.4
  Top Layer w78.74: HE2.2@2372.35,242.3 2372.35,339.5
  Bottom Layer w78.74: HE2.2@2372.35,242.3 2372.35,337.5
NetD14_K: D14.K HE2.1 VHE2_sel.2 | length 781.9
  Top Layer w39.37: D14.K@2503.94,511.81 2503.94,248.51 HE2.1@2510.15,242.3
  Bottom Layer w39.37: HE2.1@2510.15,242.3 2510.15,632.3 2570.15,692.3 VHE2_sel.2@2605.15,692.3
NetE0_2: E0.2 E0_MS.4 R28.1 | length 526.5
  Top Layer w7.87: E0.2@3551.61,2347.88 E0.2@3554.1,2347.88 3588.72,2347.88
  Top Layer w10: 3588.72,2347.88 3767.24,2169.36 3767.24,2031.36 3789.46,2009.14 R28.1@3856.95,2009.14
NetE0_3: E0.3 E0_MS.5 | length 242.3
  Top Layer w10: E0.3@3551.61,2247.88 E0.3@3554.1,2247.88 3653.72,2247.88 3717.24,2184.36 E0_MS.5@3717.24,2134.02
NetE0_4: E0.4 E0_MS.6 | length 121.4
  Top Layer w10: E0.4@3551.61,2147.88 E0.4@3554.1,2147.88 3622.72,2147.88 3636.6,2134 E0_MS.6@3667.24,2134.02
NetE0_5: E0.5 E0.6 | length 100
  Top Layer w7.87: E0.6@3551.61,1947.88 E0.5@3551.61,2047.88
NetE0_11: E0.11 E0_MOT.1 E0_MOT_A.4 | length 1041.5
  Top Layer w39.37: E0_MOT.1@3607.99,2806.88 3607.99,2720.4 3664.09,2664.3 E0_MOT_A.4@3664.09,2595.3
  Bottom Layer w39.37: E0_MOT_A.4@3662.3,2593.3 3662.3,2337.19 E0.11@4051.61,1947.88
NetE0_12: E0.12 E0_MOT.2 E0_MOT_A.3 | length 884.4
  Top Layer w39.37: E0_MOT.2@3745.79,2806.88 3745.79,2692.6 3764.09,2674.3 E0_MOT_A.3@3764.09,2595.3
  Bottom Layer w39.37: E0_MOT_A.3@3762.3,2593.3 3762.3,2337.19 E0.12@4051.61,2047.88
NetE0_13: E0.13 E0_MOT.3 E0_MOT_A.2 | length 743.5
  Top Layer w39.37: E0_MOT_A.2@3864.09,2595.3 3864.09,2672.3 3883.58,2691.8 E0_MOT.3@3883.58,2806.88
  Bottom Layer w39.37: E0_MOT_A.2@3862.3,2593.3 3862.3,2337.19 E0.13@4051.61,2147.88
NetE0_14: E0.14 E0_MOT.4 E0_MOT_A.1 | length 617.7
  Top Layer w39.37: E0_MOT_A.1@3964.09,2595.3 3964.09,2667.3 4021.38,2724.59 E0_MOT.4@4021.38,2806.88
  Bottom Layer w39.37: E0_MOT_A.1@3962.3,2593.3 3962.3,2337.19 E0.14@4051.61,2247.88
NetE1_2: E1.2 E1_MS.4 R30.1 | length 526.5
  Top Layer w7.87: E1.2@4151.61,2347.88 E1.2@4154.82,2347.88 4188.72,2347.88
  Top Layer w10: 4188.72,2347.88 4367.24,2169.36 4367.24,2031.36 4389.46,2009.14 R30.1@4456.95,2009.14
NetE1_3: E1.3 E1_MS.5 | length 242.3
  Top Layer w10: E1.3@4151.61,2247.88 E1.3@4154.82,2247.88 4253.72,2247.88 4317.24,2184.36 E1_MS.5@4317.24,2134.02
NetE1_4: E1.4 E1_MS.6 | length 121.4
  Top Layer w10: E1.4@4151.61,2147.88 E1.4@4154.82,2147.88 4222.72,2147.88 4236.6,2134 E1_MS.6@4267.24,2134.02
NetE1_5: E1.5 E1.6 | length 100
  Top Layer w7.87: E1.6@4151.61,1947.88 E1.5@4151.61,2047.88
NetE1_11: E1.11 E1_MOT.1 E1_MOT_A.4 | length 1039.7
  Top Layer w39.37: E1_MOT.1@4208.39,2806.88 4208.39,2720.4 4264.48,2664.3 E1_MOT_A.4@4264.48,2595.3
  Bottom Layer w39.37: E1_MOT_A.4@4264.3,2592.3 4264.3,2335.19 E1.11@4651.61,1947.88
NetE1_12: E1.12 E1_MOT.2 E1_MOT_A.3 | length 882.6
  Top Layer w39.37: E1_MOT.2@4346.18,2806.88 4346.18,2692.6 4364.48,2674.3 E1_MOT_A.3@4364.48,2595.3
  Bottom Layer w39.37: E1_MOT_A.3@4364.3,2592.3 4364.3,2335.19 E1.12@4651.61,2047.88
NetE1_13: E1.13 E1_MOT.3 E1_MOT_A.2 | length 741.7
  Top Layer w39.37: E1_MOT_A.2@4464.48,2595.3 4464.48,2672.3 4483.98,2691.8 E1_MOT.3@4483.98,2806.88
  Bottom Layer w39.37: E1_MOT_A.2@4464.3,2592.3 4464.3,2335.19 E1.13@4651.61,2147.88
NetE1_14: E1.14 E1_MOT.4 E1_MOT_A.1 | length 615.9
  Top Layer w39.37: E1_MOT_A.1@4564.48,2595.3 4564.48,2667.3 4621.77,2724.59 E1_MOT.4@4621.77,2806.88
  Bottom Layer w39.37: E1_MOT_A.1@4564.3,2592.3 4564.3,2335.19 E1.14@4651.61,2247.88
NetE2_2: E2.2 E2_MS.4 R44.1 | length 526.5
  Top Layer w7.87: E2.2@4755.54,2347.88 4792.65,2347.88
  Top Layer w10: 4792.65,2347.88 4971.18,2169.36 4971.18,2031.36 4993.39,2009.14 R44.1@5060.89,2009.14
NetE2_3: E2.3 E2_MS.5 | length 242.3
  Top Layer w10: E2.3@4755.54,2247.88 4857.65,2247.88 4921.18,2184.36 E2_MS.5@4921.18,2134
NetE2_4: E2.4 E2_MS.6 | length 121.4
  Top Layer w10: E2.4@4755.54,2147.88 4826.65,2147.88 4840.54,2134 E2_MS.6@4871.18,2134
NetE2_5: E2.5 E2.6 | length 100
  Top Layer w7.87: E2.6@4755.54,1947.88 E2.5@4755.54,2047.88
NetE2_11: E2.11 E2_MOT.1 E2_MOT_A.4 | length 1039.1
  Top Layer w39.37: E2_MOT.1@4812.72,2806.88 E2_MOT.1@4812.72,2804.88 4812.72,2720.4 4868.81,2664.3 E2_MOT_A.4@4868.81,2595.3
  Bottom Layer w39.37: E2_MOT_A.4@4867.24,2591.3 4867.24,2336.19 E2.11@5255.54,1947.88
NetE2_12: E2.12 E2_MOT.2 E2_MOT_A.3 | length 882
  Top Layer w39.37: E2_MOT.2@4950.51,2806.88 4950.51,2692.6 4968.81,2674.3 E2_MOT_A.3@4968.81,2595.3
  Bottom Layer w39.37: E2_MOT_A.3@4967.24,2591.3 4967.24,2336.19 E2.12@5255.54,2047.88
NetE2_13: E2.13 E2_MOT.3 E2_MOT_A.2 | length 741.1
  Top Layer w39.37: E2_MOT_A.2@5068.81,2595.3 5068.81,2672.3 5088.31,2691.8 E2_MOT.3@5088.31,2806.88
  Bottom Layer w39.37: E2_MOT_A.2@5067.24,2591.3 5067.24,2336.19 E2.13@5255.54,2147.88
NetE2_14: E2.14 E2_MOT.4 E2_MOT_A.1 | length 615.3
  Top Layer w39.37: E2_MOT_A.1@5168.81,2595.3 5168.81,2667.3 5226.1,2724.59 E2_MOT.4@5226.1,2804.88 E2_MOT.4@5226.1,2806.88
  Bottom Layer w39.37: E2_MOT_A.1@5167.24,2591.3 5167.24,2336.19 E2.14@5255.54,2247.88
NetF1_0: F1.0 HB-PWR.2
NetF2_0: F2.0 MAIN-PWR.2 | length 422.3
  Top Layer w118.11: MAIN-PWR.2@4118.15,239.3 4118.15,410 4194.29,486.14 F2.0@4194.29,630.08
NetJ2_D+: J2.D+ R8.2 U5.3 USB_AUX.3 | length 620
  Top Layer w10: J2.D+@178.15,555.12 225.52,555.12 262.92,517.72 320.87,517.72 363.78,474.8 USB_AUX.3@622.05,474.8 696.12,548.87 R8.2@734.18,548.87
NetJ2_D-: J2.D- R7.2 U5.1 USB_AUX.4 | length 731.5
  Top Layer w10: J2.D-@178.15,580.71 222.44,580.71 234.25,592.52 340.55,592.52 393.7,645.67 551.18,645.67 USB_AUX.4@622.05,574.8 ; v1(732.28,433.07) 732.28,474.3 R7.2@734.18,476.2
  Bottom Layer w10: USB_AUX.4@622.05,574.8 732.28,464.57 v1(732.28,433.07)
NetJ2_SHIELD: J2.SHIELD L1.1 USB_AUX.1 | length 1169.6
  Top Layer w7.87: J2.SHIELD@71.85,675.2 J2.SHIELD@106.15,709.5
  Top Layer w39.37: J2.SHIELD@71.85,435.04 117.13,389.76 L1.1@289.37,389.76
  Bottom Layer w15.75: J2.SHIELD@71.85,417.32 99.41,389.76 342.52,389.76 457.48,274.8 USB_AUX.1@622.05,274.8
  Bottom Layer w39.37: J2.SHIELD@71.85,417.32 J2.SHIELD@71.85,692.91
NetLD1_1: LD1.1 R4.1 | length 96.6
  Top Layer w10: LD1.1@452.76,429.13 452.76,427.16 R4.1@519.69,360.23
NetLD2_1: LD2.1 R33.1 | length 111.6
  Top Layer w7.87: R33.1@4872.3,1393.83 4882.02,1393.83 4943.3,1455.11 LD2.1@4943.3,1470.3
NetLD3_1: LD3.1 R36.1 | length 89.3
  Top Layer w10: R36.1@1814.81,1054.84 LD3.1@1877.95,1117.98
NetLD4_1: LD4.1 R39.1 | length 89.3
  Top Layer w10: R39.1@2129.77,1054.84 LD4.1@2192.91,1117.98
NetLD5_1: LD5.1 R50.1 | length 99.6
  Top Layer w10: R50.1@2456.13,1054.84 2519.27,1117.98 LD5.1@2519.27,1128.3
NetLD6_1: LD6.1 R53.1 | length 96.7
  Top Layer w10: R53.1@2809.15,1054.84 2865.28,1110.98 LD6.1@2865.28,1128.3
NetLD7_1: LD7.1 R55.1 | length 99
  Top Layer w7.87: R55.1@3118.15,1054.84 LD7.1@3188.15,1124.84